# KiCad board analog_i.kicad_pcb (continued)
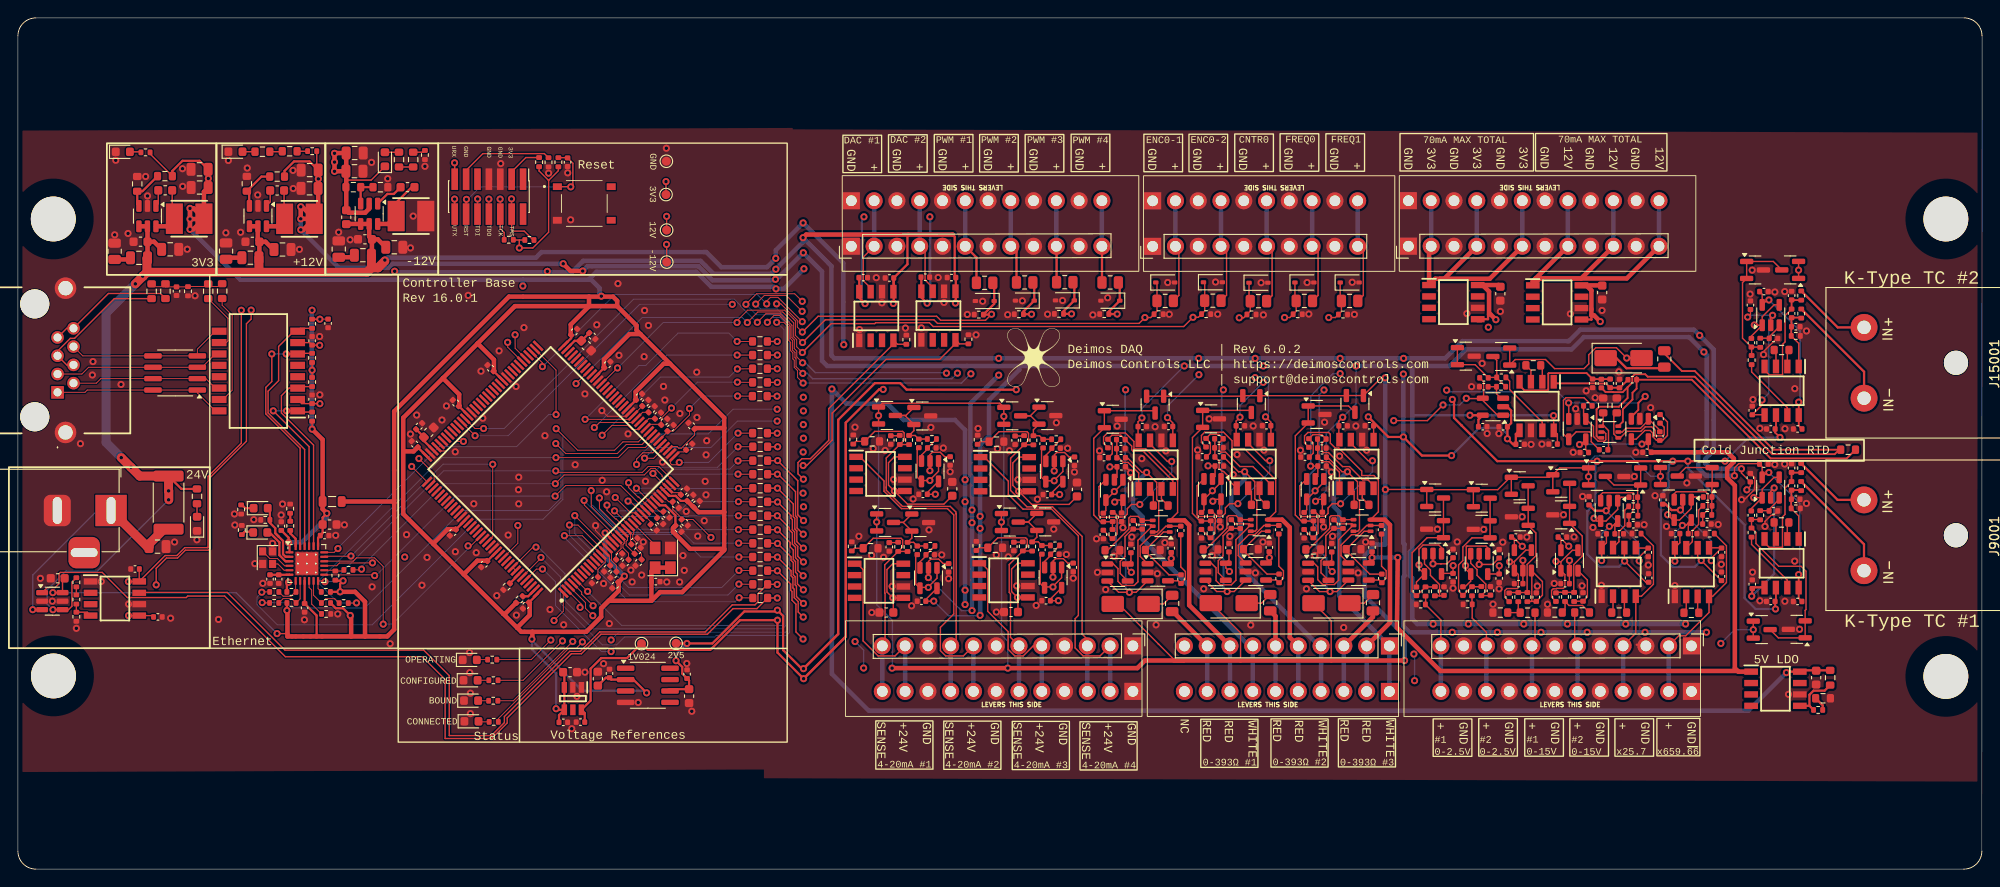
[diagram p0: board, top side]
## Routing (per net, layer and track width the routed paths; a pad name or vN(x,y) marks a point on that pad's centre or on a via; arc(x,y) is an arc through that point) (continued)
  Top w0.5: 78.76,49.22 78.76,39.83 ; 78.76,49.22 75.54,49.22 C6029.2 ; 78.76,49.22 78.76,50.37 72.73,56.4 ; 78.76,39.83 75.9,39.83 C6025.2 ; 78.76,39.83 78.76,35.74 ; L10001.1 20.7,72.55 v1(19.19,72.55) ; L10001.1 20.69,72.59 ; L10001.1 20.74,75.6 C10003.1 ; L10001.1 19.59,73.74 v1(19.19,73.74) v1(19.19,72.55) ; L10001.1 19.55,71.4 v1(19.19,71.4) v1(19.19,72.55) ; L10001.1 20.4,72.59 ; 41.96,40.88 41.96,51.09 54.76,63.89 63.68,63.89 ; 41.96,40.88 41.82,41.02 FB7001.1 ; 41.96,40.88 41.96,26.74 41.18,25.97 38.71,25.97 ; 72.73,56.4 72.01,56.4 68.89,53.28 68.89,52.41 C6031.2 ; 72.73,56.4 69.42,59.71 ; 78.76,35.74 74.95,35.74 73.05,37.64 73.05,38.05 C6022.2 ; 78.76,35.74 78.76,35.59 74.08,30.92 71.61,30.92 70.64,29.95 ; C6039.2 53.08,55.61 53.08,56.85 51.26,58.67 ; 49.71,32.9 46.34,36.27 ; 49.71,32.9 51.23,34.42 52.29,34.42 C6030.2 ; 49.71,32.9 54.13,28.48 ; 46.34,36.27 42.97,39.64 42.97,46.62 ; 46.34,36.27 46.34,36.36 47.93,37.94 48.79,37.94 C6032.2 ; 42.97,46.62 42.97,50.37 47.39,54.8 ; 42.97,46.62 44.11,46.62 C6036.2 ; v1(67.63,32.69) C6021.2 66.99,31.98 66.99,31.06 65.04,29.1 ; 129.99,23.28 v1(154.63,23.28) ; 129.99,23.28 128.92,23.28 ; 129.99,23.28 125.68,23.28 124.83,22.43 v1(110.39,22.43) v1(97.48,22.43) ; C3001.2 165.11,65.19 IC3001.8 163.33,65.19 164.05,64.46 164.05,61.92 164.21,61.92 v1(164.81,61.32) ; v1(30,28.87) 30.06,28.81 30.06,25.97 37.16,25.97 ; 37.16,25.97 38.71,25.97 ; 37.16,25.97 37.16,28.21 v1(37.06,28.31) ; C6028.2 57.07,29.67 57.07,28.35 55.67,26.94 ; 57.37,26.48 56.13,26.48 55.67,26.94 ; 57.37,26.48 57.37,25.71 v1(57.32,25.66) ; 57.37,26.48 63.37,26.48 65.04,28.15 65.04,29.1 ; R6021.1 54.32,28.48 54.13,28.48 ; 66.83,62.83 68.99,60.67 68.99,60.14 69.42,59.71 ; 66.83,62.83 66.83,63.42 66.36,63.89 63.68,63.89 ; 66.83,62.83 63.71,62.83 ; 38.71,25.97 38.71,29.84 37.6,30.95 v1(35.93,30.95) ; 65.04,29.1 65.88,29.95 70.64,29.95 ; 55.67,26.94 54.13,28.48 ; C6033.2 65.35,56 65.35,56.87 68.19,59.71 69.42,59.71 ; 70.64,29.95 C6043.2 70.64,33.23 Y6001.4 Y6001.1 ; C6037.2 61.65,59.65 61.65,60.77 63.71,62.83 ; 51.26,58.67 55.43,62.83 63.71,62.83 ; 51.26,58.67 47.39,54.8 ; 63.68,63.89 63.68,62.86 63.71,62.83 ; 47.39,54.8 49.2,52.98 49.2,51.72 C6038.2 ; 21.19,78.11 C10006.1
  In2.Cu w0.15: v1(72.27,76.73) 72.91,76.09 72.91,69.5 70.11,66.69 66.62,66.69 65.06,65.13 v1(65.06,63.94) ; v1(154.63,23.28) 187.99,23.28 v1(189.9,25.19) ; v1(163.97,60.48) 165.16,59.29 166.84,59.29 169.09,57.04 v1(179.4,57.04) ; v1(56.31,65.07) 56.31,68.92 v1(55.91,69.32) ; v1(198.56,66.85) 194.2,66.85 187.83,60.48 165.65,60.48 v1(164.81,61.32)
  In2.Cu w0.25: v1(30,28.87) 30.18,29.05 v1(30.18,32.02)
  In2.Cu w0.5: v1(164.81,61.32) v1(163.97,60.48) 163.42,59.93 154.6,59.93 152.45,62.08 ; v1(152.47,54.83) 152.45,54.85 152.45,62.08 ; v1(87.65,67) 87.65,67.16 92.15,71.66 151.15,71.66 152.45,70.36 152.45,62.08 ; v1(154.63,23.28) 154.65,23.25
  Bottom w0.15: v1(109.94,50.53) 109.94,39 v1(109.67,38.73) 109.68,38.72 109.68,26.12 110.39,25.42 v1(110.39,22.43) ; v1(3.89,30.85) 24.33,30.85 v1(28.9,26.28) ; v1(175.14,43.8) 175.14,45.39 175.85,46.1 179.81,46.1 182.08,43.84 v1(183.16,43.84) ; v1(95.97,50.61) 95.97,38.95 v1(95.76,38.74) 95.78,38.72 95.78,29.49 97.51,27.75 97.51,22.47 v1(97.48,22.43) ; v1(193.51,26.72) 191.43,26.72 v1(189.9,25.19)
  Bottom w0.25: 57.23,25.6 62.92,19.91 69.87,19.91 v1(70.11,19.67) ; 60.18,18.06 v1(60.01,17.9) 60.01,21.84 57.32,24.53 v1(57.32,25.66)
  Bottom w0.5: v1(65.06,63.94) 64.86,64.14 64.86,64.84 63.91,65.79 63.65,65.79 ; v1(65.47,37.51) 65.47,34.84 v1(67.63,32.69) ; 56.31,65.79 24.8,65.79 v1(19.19,71.4) v1(19.19,73.74) ; 56.31,65.79 v1(56.31,65.07) ; 56.31,65.79 63.65,65.79 ; 63.65,65.79 64.52,66.67 75.64,66.67 77.32,64.99 84.31,64.99 v1(84.53,64.76) 85.41,64.76 v1(87.65,67) ; v1(152.47,54.83) 152.47,36.22 151.41,36.22 150.2,35.01 150.2,30.48 154.63,26.05 v1(154.63,23.28)
  vias: v1(21.23,77.08)
+5V: length 151.8
  Top w0.15: C17007.1 v1(151,34.75) 150.64,34.39 IC17002.5 151,34.52 ; v1(135.1,33.21) 134.69,33.62 IC13003.5 135.05,34.49 C13010.1 ; v1(181.1,47.44) 181.27,47.44 IC4003.5 181.81,46.84 C4010.1 ; C17010.1 146.5,34.49 IC17003.5 146.15,33.61 v1(146.55,33.21) ; C4007.1 174.83,46.81 IC4002.5 174.25,47.38 v1(174.14,47.38) ; C5007.1 v1(128.61,34.67) 128.61,34.44 IC5002.5 ; v1(124.16,33.13) 123.75,33.53 IC5003.5 124.11,34.41 C5010.1 ; IC13002.5 139.54,34.52 v1(139.54,34.76) C13007.1
  Top w0.5: IC3002.1 191.85,22.03 191.77,22.11 ; 191.77,22.11 191.46,22.42 191.46,42.8 190.6,43.66 190.6,44.71 191.35,45.46 191.35,45.82 190.64,46.52 C4010.1 ; 191.77,22.11 158.62,22.11 153.78,26.95 v1(153.87,34.78) 153.78,34.75
  In2.Cu w0.15: v1(124.16,33.13) 125.71,34.67 v1(128.61,34.67) ; v1(146.55,33.21) 146.97,33.63 149.87,33.63 v1(151,34.75) ; v1(139.54,34.76) 136.64,34.76 v1(135.1,33.21)
  In2.Cu w0.5: v1(128.61,34.67) 129.02,34.26 135.25,34.26 135.72,34.73 140.44,34.73 140.91,34.26 150.5,34.26 v1(151,34.75)
  Bottom w0.15: v1(181.1,47.44) 174.19,47.44 v1(174.14,47.38) 176.9,47.38
  Bottom w0.5: v1(153.87,34.78) 151.02,34.78 v1(151,34.75)
+12V: length 793
  Top w0.15: v1(144.7,41.05) 144.91,41.26 U27001.5 145.46,41.11 C27003.2 ; 186.27,38.62 186.6,38.95 186,38.36 v1(185.61,38.36) ; IC8001.8 16.42,35 17.72,35 18.6,35.88 21.16,35.88 21.2,35.92 21.2,43.83 24.91,47.54 v1(24.91,62.38) 24.91,62.44 ; IC8001.8 13.53,33.48 C8005.2 ; IC8001.8 12.34,32.1 v1(12.32,32.08) ; IC8001.8 13.94,32.1 ; C11007.1 33.32,78.17 R12005.2 ; v1(102.3,41.84) 102.29,41.83 C33003.2 101.41,42.02 102.66,43.27 ; v1(191.42,43.9) 191.42,44.78 191.89,45.25 194.16,45.25 C17008.2 194.5,44.91 U17002.5 195.05,44.27 v1(195.25,44.27) ; C24001.2 134,41.12 U24001.5 133.46,41.27 v1(133.24,41.06) ; C39003.2 178.08,38.53 U39001.5 177.8,38.25 v1(177.47,38.25) ; C37003.2 186.27,38.63 U37001.5 ; C21003.2 123.07,41.03 U21001.5 122.52,41.18 v1(122.31,40.97) ; U43001.5 166.87,36.74 C43003.2 166.72,37.06 v1(167.75,36.03) ; 165.18,33.85 C45003.2 163.91,32.94 U45001.5 ; C38001.2 177.14,36.41 IC38001.8 176.6,34.44 ; v1(184.77,34.37) IC36001.8 185.33,36.42 C36001.2 ; IC5001.8 124.91,47.92 C5004.1 124.91,49.92 v1(125.34,50.35) ; 72.34,72.85 TP7001.1 ; IC13001.8 135.84,48 C13004.1 135.84,50 v1(136.27,50.44) ; v1(172.93,36.04) 171.92,37.06 C41003.2 172.06,36.74 U41001.5 ; U29001.5 115.27,41.99 C29003.2 116.15,41.8 v1(116.16,41.81) ; v1(171.24,50.61) 171.26,50.59 IC4001.8 171.67,48.56 C4004.1 ; U35001.5 101.24,30.09 C35003.2 102.12,29.9 v1(102.13,29.91) ; v1(147.73,50.43) 147.3,50 C17004.1 147.3,48 IC17001.8 ; v1(160.04,33.87) 160.03,33.86 C47003.2 158.81,33 U47001.5 ; v1(195.26,63.52) 195.05,63.52 U19001.5 194.51,64.16 C19003.2 ; v1(116.02,29.96) 116.01,29.95 C31003.2 115.13,30.14 U31001.5
  Top w0.2: v1(198.57,32.87) 198.58,32.86 IC9001.8 198.58,30.23 C9004.1 ; v1(198.58,52.12) 198.58,52.11 IC15001.8 198.58,49.48 C15004.1
  Top w0.25: v1(94.46,63.12) 93.82,63.76 IC53001.8 93.82,65.98 C53001.2 ; IC3003.5 175.46,61.34 175.46,61.8 ; C54001.2 100.74,66.03 IC54001.8 100.74,63.81 v1(101.38,63.16) ; v1(161.92,50.65) U15001.5 162.86,50.17 C15008.2 ; R11004.1 29.73,77.92 30.79,78.99 32.51,78.99 C11007.1
  Top w0.5: v1(62.99,66.75) 61.62,66.75 v1(60.81,67.56) ; L11001.1 33.48,73.02 C11007.1 ; L11001.1 31.7,73.92 v1(31.54,73.92) v1(31.54,72.58) L11001.1 ; L11001.1 31.81,71.35 v1(31.54,71.35) 31.54,71.32 31.53,71.31 ; v1(176.45,61.11) 175.76,61.8 175.46,61.8 175.46,64.58 174.89,65.15 IC3003.8 176.64,65.15 C3002.2
  In2.Cu w0.15: v1(136.27,50.44) 134.43,48.59 134.43,42.24 v1(133.24,41.06) ; v1(122.31,40.97) 123.19,41.86 123.19,48.21 v1(125.34,50.35) ; v1(72.34,72.86) 72.34,71.45 69.02,68.12 61.37,68.12 v1(60.81,67.56) ; v1(160.04,33.87) 159.09,32.92 159.09,30.01 v1(161.74,27.35) 162,27.61 162,33.87 162.71,34.58 164.47,34.58 v1(165.19,33.86) ; v1(24.91,62.38) 24.91,64.71 v1(31.54,71.35) ; v1(107.29,38.03) 106.11,38.03 104.92,39.21 104.92,40.65 103.73,41.84 v1(102.3,41.84) ; v1(107.29,39.38) 107.29,39.93 108.52,41.15 109.45,41.15 109.9,40.7 115.05,40.7 v1(116.16,41.81) ; v1(185.97,27.35) 185.97,33.17 v1(184.77,34.37) ; v1(188,57.72) 189.81,57.72 195.26,63.16 v1(195.26,63.52) ; v1(172.79,27.35) 172.44,27.71 172.44,35.55 v1(172.93,36.04) ; v1(167.75,36.03) 167.25,35.53 167.25,28.03 v1(167.92,27.35) ; v1(107.29,28.33) 108.63,29.67 112.98,29.67 113.31,30 115.98,30 v1(116.02,29.96) ; 157.94,27.47 v1(157.82,27.35)
  In2.Cu w0.2: v1(179.29,27.35) 179.29,31.74 v1(176.6,34.43)
  In2.Cu w0.5: v1(87.58,68.79) 87.77,68.79 91.78,72.8 v1(94.34,72.8) v1(101.69,72.8) 183.92,72.8 185.24,71.48 185.24,66.83 179.52,61.11 v1(176.45,61.11) ; v1(138.87,56.15) v1(138.87,54.33)
  Bottom w0.15: v1(136.27,50.44) 136.27,51.74 v1(138.87,54.33) ; v1(195.25,44.27) 198.71,40.81 198.71,33 v1(198.57,32.87) ; v1(184.77,34.37) 184.77,37.52 v1(185.61,38.36) ; v1(130.07,56.15) 125.34,51.42 v1(125.34,50.35) ; v1(144.7,41.05) 145.88,42.24 145.88,48.59 v1(147.73,50.43) 149.22,51.92 v1(149.22,56.15) ; v1(102.13,29.91) 103.76,28.28 107.24,28.28 v1(107.29,28.33)
  Bottom w0.2: v1(177.47,38.25) 176.6,37.39 v1(176.6,34.43) ; v1(198.58,52.12) 198.74,52.28 198.74,60.04 v1(195.26,63.52)
  Bottom w0.25: 155.49,50.6 155.54,50.65 v1(161.92,50.65) 171.2,50.65 v1(171.24,50.61) ; v1(94.46,63.12) 94.11,63.47 94.11,72.57 v1(94.34,72.8) ; v1(101.69,72.8) 101.73,72.76 101.73,63.51 v1(101.38,63.16)
  Bottom w0.5: v1(185.97,27.35) v1(179.29,27.35) v1(172.79,27.35) v1(167.92,27.35) v1(161.74,27.35) v1(157.82,27.35) 156.04,27.35 155.49,27.9 155.49,32.47 155.22,32.74 155.22,35.41 155.49,35.69 155.49,56.15 ; v1(191.42,43.9) 188.24,43.9 187.39,44.75 187.39,46.33 188.32,47.25 188.32,57.4 v1(188,57.72) 186.34,59.38 174.62,59.38 173.24,58 161.49,58 159.64,56.15 155.49,56.15 ; 111.67,56.15 111.67,55.73 108.29,52.35 108.29,48.33 107.29,47.33 v1(107.29,39.38) v1(107.29,38.03) v1(107.29,28.33) ; 111.67,56.15 v1(130.07,56.15) v1(138.87,56.15) v1(149.22,56.15) 155.49,56.15 ; 111.67,56.15 90.24,56.15 89.67,56.73 89.67,66.7 v1(87.58,68.79) 84.61,65.82 v1(84.48,65.82) 84.37,65.71 77.45,65.71 75.88,67.28 63.52,67.28 v1(62.99,66.75) ; v1(31.54,73.92) 31.54,71.36 v1(31.54,71.35) 35.78,67.11 41.34,67.11 41.79,67.56 v1(60.81,67.56)
  vias: v1(33.5,77.04)
+24V: length 443.4
  Top w0.15: C28001.2 117.21,40.7 113.06,40.7 v1(111.6,42.17) ; IC17004.5 97.56,30.27 v1(97.56,30.27) ; IC24001.5 111.46,30.32 v1(111.46,30.32) ; IC28001.8 111.59,45.98 110.94,45.33 110.94,42.82 v1(111.6,42.17) ; v1(111.6,42.17) 111.6,42.17 IC28001.5 ; IC24001.8 111.45,34.13 110.8,33.48 110.8,30.97 v1(111.46,30.32) ; IC17004.8 97.56,34.08 96.91,33.43 96.91,30.92 v1(97.56,30.27) ; C30001.2 111.51,30.26 v1(111.46,30.32) ; v1(97.56,30.27) 97.62,30.21 C34001.2 ; 3.96,28.95 U8001.4 5.63,28.95 6.02,29.34 6.02,32.02 R8006.1 6.67,32.67 ; IC20001.8 97.73,46.01 97.08,45.36 97.08,42.85 v1(97.73,42.2) ; v1(97.73,42.2) 97.79,42.14 ; v1(97.73,42.2) 97.73,42.2 IC20001.5 ; v1(97.73,42.2) 99.2,40.73 103.26,40.73 C32001.2
  Top w0.25: v1(197.21,21.93) 197.31,22.03 IC3002.8 198.85,22.18 R3002.2 ; R8004.1 18.23,42.43 R12001.2
  Top w0.5: C14002.1 39.17,70.6 IC14001.5 36.63,72 C14005.2 ; C14002.1 40.13,70.29 C14004.1 ; C14002.1 39.47,68.57 C14003.1 ; C10002.1 15.18,70.02 C10005.1 ; C11002.1 27.61,70.02 28.46,69.17 ; C11002.1 26.74,70.2 26.74,71.75 25.79,71.75 ; C11002.1 26.92,68.28 C11003.1 ; C10004.1 14.45,71.73 IC10001.5 IC10001.4
  Top w1: v1(13.09,65.32) 13.92,66.14 v1(13.92,66.18) 13.96,66.18 14.39,66.61 ; 14.39,66.61 14.39,68.16 C10004.1 ; 14.39,66.61 38.93,66.61 39.42,67.1 ; v1(16.8,42.21) 16.8,42.22 R8004.1 13.58,43.87 v1(12.6,44.84) v1(11.52,45.92) ; 26.88,66.69 C11003.1 ; 39.42,67.1 40.16,67.1 40.92,67.86 ; 39.42,67.1 C14003.1 ; 16.82,42.19 16.82,41.21
  In2.Cu w0.15: v1(105.62,29.53) 104.66,30.49 97.78,30.49 v1(97.56,30.27) ; v1(105.62,43.45) 106.9,42.17 v1(111.6,42.17) ; v1(111.46,30.32) 106.43,30.32 v1(105.62,31.13) ; v1(105.62,41) 104.21,42.41 97.95,42.41 v1(97.73,42.2)
  In2.Cu w0.5: v1(92.09,58.53) 92.09,54.9 v1(90.77,53.58)
  Bottom w0.15: v1(16.8,41.21) 8.85,33.26 5.36,33.26 3.26,31.17 3.26,29.59 v1(3.9,28.95)
  Bottom w0.5: v1(105.62,29.53) v1(105.62,31.13) v1(105.62,41) v1(105.62,43.45) 105.62,49 104.49,50.13 98.77,50.13 96.94,51.96 92.39,51.96 v1(90.77,53.58) 90.77,21.79 94.87,17.69 192.97,17.69 v1(197.21,21.93) ; v1(92.09,58.53) 92.04,58.58 92.04,67.63 v1(87.56,72.12) 84.51,69.07 v1(84.51,68.16) 83.53,67.18 78.44,67.18 76.76,68.86 58.39,68.86 57.77,68.25 41.19,68.25 v1(40.92,67.97)
  Bottom w1: v1(11.52,45.92) 9.83,47.62 9.83,62.05 v1(13.09,65.32)
-12V: length 717.5
  Top w0.15: v1(15.42,31.72) 15.42,33.56 16.57,34.71 17.79,34.71 18.67,35.59 21.23,35.59 21.45,35.81 21.45,43.72 25.48,47.76 25.48,60.87 26.01,61.39 v1(26.01,62.39) ; U19001.2 195.46,61.6 v1(195.67,61.81) ; C43004.2 167.82,33.32 U43001.2 167.82,34.66 167.83,34.67 ; 157.79,35.21 U47001.2 157.8,34.07 v1(157.79,34.07) 158.66,34.07 ; C33004.2 103.35,46.03 102.85,46.52 101.97,46.52 101.71,46.26 U33001.2 101.71,44.48 v1(101.69,44.47) ; U24001.2 133.49,43.83 C24004.2 132.73,44.99 v1(132.71,45.01) ; v1(192.19,44.68) 192.19,44.2 C19004.2 193.19,42.72 v1(192.8,42.33) ; C31004.2 117.07,34.15 116.57,34.65 115.69,34.65 115.43,34.38 U31001.2 115.43,32.6 v1(115.42,32.59) ; C45004.2 164.45,34 v1(162.95,34) U45001.2 162.94,35.21 ; v1(128.19,50.39) 128.78,49.8 C9005.1 128.78,49.4 IC5001.5 ; U17002.2 195.45,42.15 v1(195.84,42.54) ; v1(121.77,44.89) 121.78,44.9 C21004.2 122.56,43.75 U21001.2 ; v1(192.89,61.61) 193.2,61.92 C17009.2 ; v1(188.82,34.42) 188.82,34.68 C36002.2 189.95,35.86 IC36001.5 188.6,35.83 ; 36.61,76.9 39.39,76.9 D12002.1 ; IC15001.5 194.74,50.71 C16001.2 194.49,51.8 v1(194.49,52.35) ; v1(180.79,34.4) 180.79,34.82 C38002.2 180.47,35.83 IC38001.5 ; 158.66,34.07 158.76,34.07 ; 158.66,34.07 159.35,34.07 C47004.2 ; 173,34.59 173.01,34.58 U41001.2 173.01,33.3 C41004.2 ; C35004.2 103.18,34.1 102.68,34.6 101.8,34.6 101.54,34.33 U35001.2 101.54,32.55 v1(101.52,32.54) ; C29004.2 117.21,46 116.71,46.5 115.83,46.5 115.57,46.23 U29001.2 115.57,44.45 v1(115.56,44.44) ; TP7002.1 72.34,69.12 72.34,69.71 v1(72.33,69.72) ; U27001.2 144.95,43.83 C27004.2 144.15,44.98 v1(144.15,44.98) ; C8002.2 14.98,28.29 IC8001.5 v1(12.34,28.29) ; IC17001.5 151.17,49.48 C26001.1 151.17,49.88 v1(150.58,50.47) ; v1(139.12,50.48) 139.71,49.89 C23001.1 139.72,49.48 IC13001.5
  Top w0.25: v1(104.54,63.18) 104.58,63.22 C54002.2 104.46,66.15 104.46,70.58 104.24,70.8 ; v1(159.87,46.15) 156.57,46.15 v1(154.49,48.23) 152.82,48.23 v1(150.58,50.47) ; 99.29,70.82 99.19,70.72 99.19,67.51 C53002.2 97.66,63.18 v1(97.62,63.13) ; v1(166.09,48.03) 166.71,47.41 C4005.1 167.03,48.56 IC4001.5 ; v1(166.09,48.03) C15009.2 166.51,49.78 166.51,51.17 166.07,51.6 U15001.2 ; v1(166.09,48.03) 166.09,47.85 166.14,47.8 ; IC9001.5 194.74,31.45 193.4,31.45 193.4,30.51 193.35,30.46 v1(193.34,30.46) 193.34,30.45 ; 97.65,65.97 97.65,64.47 IC53001.5 ; C37004.2 183.74,40.73 184.39,40.07 v1(185.38,40.07) 185.64,40.33 U37001.2 185.66,41.25 ; U39001.2 177.44,40.33 v1(177.11,40) 175.84,40 C39004.2
  Top w0.5: 104.24,70.8 104.23,70.82 87.89,70.82 v1(87.55,70.47) ; 39.16,74.28 IC14001.2 39.17,73.71 38.72,73.26 36.88,73.26 C14005.1 36.61,79.91 C14007.1 35.3,79.92 35.3,79.92 v1(35.3,79.89) v1(35.3,78.91) v1(35.3,77.88) 35.31,77.89 C14008.1
  In2.Cu w0.15: v1(181.44,26.43) 180.79,27.08 v1(180.79,34.4) ; 158.36,33.51 v1(157.79,34.07) 157.79,28.58 v1(159.94,26.43) ; v1(121.77,44.89) 121.77,47.59 125.15,50.98 127.6,50.98 v1(128.19,50.39) ; v1(115.56,44.44) 112.71,41.59 107.91,41.59 v1(106.39,40.08) ; v1(106.39,28.85) 106.39,29.57 105.41,30.55 105.32,30.55 105.04,30.83 105.04,31.4 106.23,32.59 v1(115.42,32.59) ; v1(164.97,26.43) 163.57,27.83 163.57,32.25 162.95,32.87 v1(162.95,34) ; v1(26.01,62.39) 26.01,64.6 35.3,73.89 v1(35.3,77.88) ; v1(167.82,34.46) 167.82,28.45 169.84,26.43 v1(169.84,26.43) ; v1(59.04,66.71) 60.77,66.71 61.64,67.58 70.18,67.58 v1(72.33,69.72) ; v1(174.99,26.43) 173.01,28.41 v1(173.01,34.44) ; v1(12.34,28.29) 12.34,28.64 v1(15.42,31.72) ; v1(106.39,38.65) 105.84,38.65 105.57,38.92 105.57,40.13 106.19,40.75 106.19,41.24 102.97,44.47 v1(101.69,44.47) ; v1(188.29,26.43) 188.82,26.96 v1(188.82,34.42) ; v1(187.53,59.57) 189.57,61.61 v1(192.89,61.61) ; v1(132.71,45.01) 132.71,47.68 136.04,51.01 138.59,51.01 v1(139.12,50.48)
  In2.Cu w0.5: 137.97,54.78 v1(137.97,54.85) v1(137.97,57) ; v1(42.01,66.72) 42.01,71.18 v1(35.3,77.88) ; v1(131.67,57) 131.67,55.2 v1(131.69,55.18) ; v1(109.37,57) v1(109.37,55.13) ; v1(154.52,57) 154.52,55.28 v1(154.49,55.25) ; v1(147.44,57) v1(147.44,55.3)
  Bottom w0.15: 145.47,54.12 146.65,55.3 v1(147.44,55.3) ; 145.47,54.12 144.17,52.82 144.17,45 v1(144.15,44.98) ; 145.47,54.12 146.48,55.13 146.49,55.13 ; v1(192.89,61.61) 193.09,61.81 v1(195.67,61.81) 195.23,61.37 195.23,53.09 v1(194.49,52.35) ; v1(195.84,42.54) 195.63,42.33 v1(192.8,42.33) ; v1(139.12,50.48) 139.44,50.79 139.44,54.57 139.06,54.95 138.07,54.95 v1(137.97,54.85) ; v1(128.19,50.39) 128.19,51.67 v1(131.69,55.18) ; v1(185.38,40.07) 188.82,36.63 v1(188.82,34.42) ; v1(106.39,28.85) 105.21,28.85 v1(101.52,32.54) ; v1(177.11,40) 180.79,36.31 v1(180.79,34.4)
  Bottom w0.25: v1(159.87,46.15) 162.95,49.24 165.39,49.24 166.09,48.54 v1(166.09,48.03) ; v1(193.34,30.46) 195.84,32.96 v1(195.84,42.54)
  Bottom w0.5: 59.04,66.6 61.76,66.6 63.04,67.88 76.12,67.88 77.56,66.44 84.01,66.44 v1(84.52,66.95) 87.55,69.98 v1(87.55,70.47) 90.72,67.3 90.72,57.33 91.04,57 v1(109.37,57) v1(131.67,57) v1(137.97,57) v1(147.44,57) v1(154.52,57) 159.14,57 161.07,58.93 172.94,58.93 174.22,60.2 186.89,60.2 v1(187.53,59.57) 189.09,58 189.09,47.98 189.12,47.95 189.12,46.74 188.14,45.76 188.14,45.28 188.74,44.68 v1(192.19,44.68) 192.27,44.68 ; 59.04,66.6 42.13,66.6 v1(42.01,66.72) ; 59.04,66.6 v1(59.04,66.71) 59.04,66.85 ; v1(106.39,28.85) v1(106.39,38.65) v1(106.39,40.08) 106.39,43.74 106.22,43.91 106.22,51.98 v1(109.37,55.13) ; v1(188.29,26.43) v1(181.44,26.43) v1(174.99,26.43) v1(169.84,26.43) v1(164.97,26.43) v1(159.94,26.43) 155.17,26.43 154.49,27.1 154.49,32.61 154.62,32.73 154.62,36.24 154.49,36.37 v1(154.49,48.23) v1(154.49,55.25)
/analog_frontend/ain_0-15V_1/sallen_key_3kHz8/VIN: length 4.6
  Top w0.15: R40001.1 174.46,29.42 172.97,29.42 R41001.1 172.52,28.95 R40002.1
/analog_frontend/ain_0-15V_1/VIN: length 8.9
  Top w0.15: R40001.2 173.6,25.23 J3004.6
  Bottom w0.5: J3004.6 J3004.6
/analog_frontend/ain_0-15V_/sallen_key_3kHz8/VIN: length 2.7
  Top w0.15: R42002.1 167.51,28.63 R42001.1 167.31,28.83 R43001.1
/analog_frontend/ain_0-15V_/VIN: length 8.9
  Top w0.15: J3004.8 169.17,25.25 R42001.2
  Bottom w0.5: J3004.8 J3004.8
/analog_frontend/ain_g1_1/VIN: length 11.3
  Top w0.15: J3004.10 163.76,26.42 162.17,28.01 R44001.1 ; R45001.1 162.15,29.53
  Bottom w0.5: J3004.10 J3004.10
/analog_frontend/ain_g1_/VIN: length 11.4
  Top w0.15: J3004.12 158.68,27.81 R46001.1 ; 156.98,29.5 156.98,30.46 R47001.1
  Bottom w0.5: J3004.12 J3004.12
/analog_frontend/ain_g25p7_/sallen_key_1kHz2/VIN: length 5.3
  Top w0.15: IC38001.7 178.53,36.54 178.53,37.67 179.18,38.32 179.18,40.05 R39001.1
/analog_frontend/ain_g25p7_/VIN: length 20
  Top w0.15: J3004.4 180.41,26.33 IC38001.4 181.04,30.46 182.38,31.79 182.38,36.06 R38002.1
  Bottom w0.5: J3004.4 J3004.4
/analog_frontend/ain_g666p333_/sallen_key_100Hz1/VIN: length 5.4
  Top w0.15: IC36001.7 186.72,36.55 186.72,37.77 187.41,38.47 187.41,40.06 R37001.2
/analog_frontend/ain_g666p333_/VIN: length 21.5
  Top w0.15: R36002.1 190.52,36.09 190.52,31.98 188.98,30.44 IC36001.4 188.58,28.64 185.98,26.04 185.2,26.04 J3004.2
  Bottom w0.5: J3004.2 J3004.2
/analog_frontend/K-Type TC Amp1/sallen_key_1kHz/VIN: length 7.3
  Top w0.15: IC15001.7 197.31,51.5 193.33,55.49 R19001.1
/analog_frontend/K-Type TC Amp/sallen_key_1kHz/VIN: length 7.3
  Top w0.15: R17001.1 193.32,36.24 197.31,32.25 IC9001.7
/analog_frontend/pwm_in_buf1/VIN: length 11.6
  Top w0.15: R48001.1 129.46,64.03 129.46,69.13 J3005.2
  Bottom w0.5: J3005.2 J3005.2
/analog_frontend/pwm_in_buf2/VIN: length 11.7
  Top w0.15: J3005.10 150.02,68.88 150.02,64.03 R52001.1
  Bottom w0.5: J3005.10 J3005.10
/analog_frontend/pwm_in_buf3/VIN: length 11.7
  Top w0.15: R51001.1 144.98,64.03 144.98,68.85 J3005.8
  Bottom w0.5: J3005.8 J3005.8
/analog_frontend/pwm_in_buf4/VIN: length 11.7
  Top w0.15: R50001.1 139.86,64 139.86,68.89 J3005.6
  Bottom w0.5: J3005.6 J3005.6
/analog_frontend/pwm_in_buf/VIN: length 11.7
  Top w0.15: R49001.1 134.78,64.05 134.78,68.89 J3005.4
  Bottom w0.5: J3005.4 J3005.4
GND: length 21.1
  Top w0.1: 64.4,38.35 v1(64.42,38.34) 64.4,37.82 65.38,36.83 65.43,36.83 66.11,36.15 IC6001.16 ; IC6001.51 67.8,50.54 65.74,50.54 v1(65.12,51.17) ; 17.72,63.98 C7012.2
  Top w0.15: IC8001.1 8.1,32.12 ; R17009.2 145.27,35.65 v1(144.62,35.01) 144.5,34.88 ; C17005.1 195.75,39.49 195.5,39.49 194.82,38.8 v1(194.82,38.25) ; v1(192.21,41.23) 192.52,41.23 193.67,42.38 193.67,43.68 C19004.1 ; v1(124.07,44.23) 124.07,44.35 C21004.1 ; R13009.2 133.81,35.66 v1(133.17,35.01) 133.04,34.89 ; v1(146.46,44.31) 146.46,44.43 C27004.1 ; R5009.2 122.88,35.57 v1(122.23,34.93) 122.11,34.8 ; C19001.1 196.12,59.23 194.66,57.76 v1(194.66,57.43) ; v1(194.66,57.43) 194.66,57.42 ; v1(194.66,57.43) 194.67,57.43
  Top w0.25: 31.96,27.82 31.95,27.81 v1(31.95,27.83) 31.97,27.83 ; 27.08,31.89 27.07,31.88 ; v1(29.51,40.74) 29.51,40.74 ; v1(35.67,28.48) 35.68,28.47 ; 35.53,37.26 35.56,37.23 ; 180.51,25.04 180.56,25.04 ; 26.33,38.97 v1(26.3,39)
  Bottom w0.15: 176.91,25.57 176.78,25.44
  vias: v1(2.5,32.45) v1(3.83,29.9) v1(6.52,26.87) v1(6.97,47.48) v1(8.3,55.14) v1(8.37,56.64) v1(9.29,32.1) v1(10.79,70.79) v1(10.91,79.11) v1(11.5,54.09) v1(12.28,70.94) v1(12.34,29.57) v1(14.24,77.3) v1(14.45,75.13) v1(17.03,28) v1(17.47,36.5) v1(18.35,78.17) v1(18.37,76.2) v1(18.88,69.18) v1(19.75,63.99) v1(19.96,36.75) v1(22.37,27.86) v1(23.19,71.02) v1(23.46,79.09) v1(24.14,39.63) v1(24.19,38.4) v1(24.83,71.08) v1(25.57,78.25) v1(26.42,34.09) v1(26.74,75.25) v1(27.31,31.89) v1(28.39,36.35) v1(29.36,39.52) v1(30.67,77.99) v1(30.7,75.96) v1(31.39,69.17) v1(33.64,59.44) v1(33.67,52.94) v1(35.44,37.25) v1(35.76,71.08) v1(36.4,38.42) v1(37.04,70.24) v1(39.43,78.88) v1(39.5,31.5) v1(41.23,77.06) v1(41.51,25.15) v1(43.34,37.33) v1(43.77,69.33) v1(43.77,48.55) v1(44.07,72.88) v1(44.47,50.67) v1(45.06,31.68) v1(45.38,78.44) v1(45.62,34.79) v1(47.29,50.12) v1(47.79,51.69) v1(48.77,46.57) v1(48.78,35.42) v1(50.21,64.03) v1(50.36,24.16) v1(50.38,21.92) v1(50.45,19.63) v1(50.46,17.35) v1(50.84,40.77) v1(51.11,35.31) v1(51.64,55.57) v1(51.84,50.32) v1(53.4,30.52) v1(53.66,57.84) v1(53.84,78.74) v1(54.67,37.28) v1(55.55,53.86) v1(55.59,28.34) v1(55.85,43.74) v1(55.82,42.34) v1(55.85,40.76) v1(56.43,60.43) v1(58.77,48.37) v1(59.18,77.67) v1(59.33,28.97) v1(60.86,27.27) v1(61.31,77.7) v1(61.64,72.46) v1(61.76,15.66) v1(62.14,45.13) v1(62.33,19.28) v1(63.23,53.03) v1(63.23,21.98) v1(64.55,60.75) v1(65.16,43.39) v1(65.31,31.87) v1(65.3,22.93) v1(65.65,42.11) v1(65.95,27.4) v1(66.91,65.35) v1(67.03,57.34) v1(68.04,48.57) v1(68.36,33.37) v1(68.49,32.05) v1(69.17,18.59) v1(69.56,32.82) v1(69.73,36.52) v1(69.88,62.35) v1(69.83,57.19) v1(69.98,43.28) v1(70.31,60.67) v1(71.88,45.42) v1(71.99,53.87) v1(72.14,52.35) v1(72.31,80.45) v1(72.36,32.04) v1(73.78,32.04) v1(73.82,50.85) v1(74.16,34.99) v1(74.31,33.34) v1(74.53,39.92) v1(74.58,22.95) v1(75.14,17.61) v1(75.69,55.47) v1(75.72,50.41) v1(75.81,37.16) v1(76.53,38.88) v1(76.64,43.28) v1(76.74,46.23) v1(76.73,41.77) v1(76.81,47.81) v1(93.34,49.33) v1(93.78,37.15) v1(93.84,60.21) v1(95.2,35.01) v1(95.21,28.64) v1(95.37,46.94) v1(95.72,66.01) v1(96.34,63.2) v1(96.53,34.8) v1(96.7,46.73) v1(97.48,31.56) v1(97.65,43.49) v1(98.97,60.38) v1(99.65,29.38) v1(99.82,41.31) v1(100.74,60.4) v1(101.6,37.86) v1(101.81,49.3) v1(102.62,66.03) v1(103.02,35.07) v1(103.19,47) v1(103.26,63.24) v1(103.78,32.42) v1(103.95,44.35) v1(105.87,61.9) v1(106.84,59.63) v1(107.07,49.18) v1(107.58,63.38) v1(109.1,35.06) v1(109.11,28.69) v1(109.24,46.91) v1(110.37,61.88) v1(110.43,34.85) v1(110.57,46.7) v1(111.38,31.61) v1(111.52,43.46) v1(112.01,63.43) v1(113.55,29.43) v1(113.69,41.28) v1(114.82,61.93) v1(115.51,37.94) v1(115.8,49.82) v1(116.49,63.46) v1(116.91,35.12) v1(117.05,46.97) v1(117.68,32.47) v1(117.82,44.32) v1(119.87,61.85) v1(120.27,36.86) v1(120.38,33.12) v1(120.61,46.68) v1(121.29,31.2) v1(121.52,63.77) v1(122.58,49.45) v1(123.22,38.11) v1(124.21,37.06) v1(125.33,45.81) v1(126.81,49.37) v1(126.92,27.26) v1(127.06,32.97) v1(127.89,36.43) v1(128.01,46.67) v1(128.21,65.47) v1(128.39,61.93) v1(131.55,46.77) v1(132.23,31.28) v1(132.84,50.25) v1(133.55,65.52) v1(133.79,61.94) v1(134.07,38.19) v1(135.15,37.15) v1(135.52,44.03) v1(135.95,46.27) v1(137.48,27.24) v1(137.74,49.46) v1(137.99,33.06) v1(138.63,65.44) v1(138.88,61.86) v1(138.83,36.51) v1(138.94,46.76) v1(143.02,46.74) v1(143.68,31.28) v1(143.76,65.47) v1(143.96,61.95) v1(145.6,38.19) v1(145.71,49.88) v1(146.6,37.14) v1(147.38,46.09) v1(147.84,26.96) v1(148.79,65.5) v1(149.03,61.91) v1(149.2,49.45) v1(149.45,33.06) v1(150.29,36.51) v1(150.4,46.75) v1(158.29,37.94) v1(160.03,31.35) v1(160.5,36.52) v1(161.57,62) v1(162.09,53.84) v1(163.28,56.44) v1(163.46,37.91) v1(163.83,48.61) v1(164.49,29.57) v1(165.14,48.6) v1(165.17,31.28) v1(165.31,62.24) v1(165.58,36.49) v1(167.74,39.32) v1(168.27,37.06) v1(168.73,47.4) v1(169.43,31.59) v1(169.95,47.44) v1(170.57,29.56) v1(171.31,31.88) v1(172.35,39.55) v1(173.12,61.97) v1(173.43,46.52) v1(173.53,37.07) v1(173.71,51.38) v1(174.48,41.59) v1(174.42,31.62) v1(174.88,53.38) v1(175.63,38.13) v1(175.88,52.61) v1(176.58,31.68) v1(176.65,62.35) v1(178.53,55.51) v1(180.25,43.82) v1(180.41,46.52) v1(181.34,38.44) v1(181.8,33.94) v1(182.07,51.5) v1(182.56,41.68) v1(183.83,38.25) v1(184.76,31.65) v1(186.11,43.1) v1(189.6,38.46) v1(189.94,34.01) v1(193.16,64.18) v1(193.39,66.85) v1(193.48,52.4) v1(193.43,33.14) v1(194.26,49.2) v1(194.25,29.95) v1(195.92,64.41) v1(195.91,45.16) v1(197.02,64.46) v1(197.05,49.15) v1(197.01,45.21) v1(197.04,29.9) v1(197.44,19.5) v1(198.14,53.62) v1(198.13,34.37) v1(198.67,26.77) v1(199.45,60.06) v1(199.44,40.81)
